# KiCad board lh60.kicad_pcb
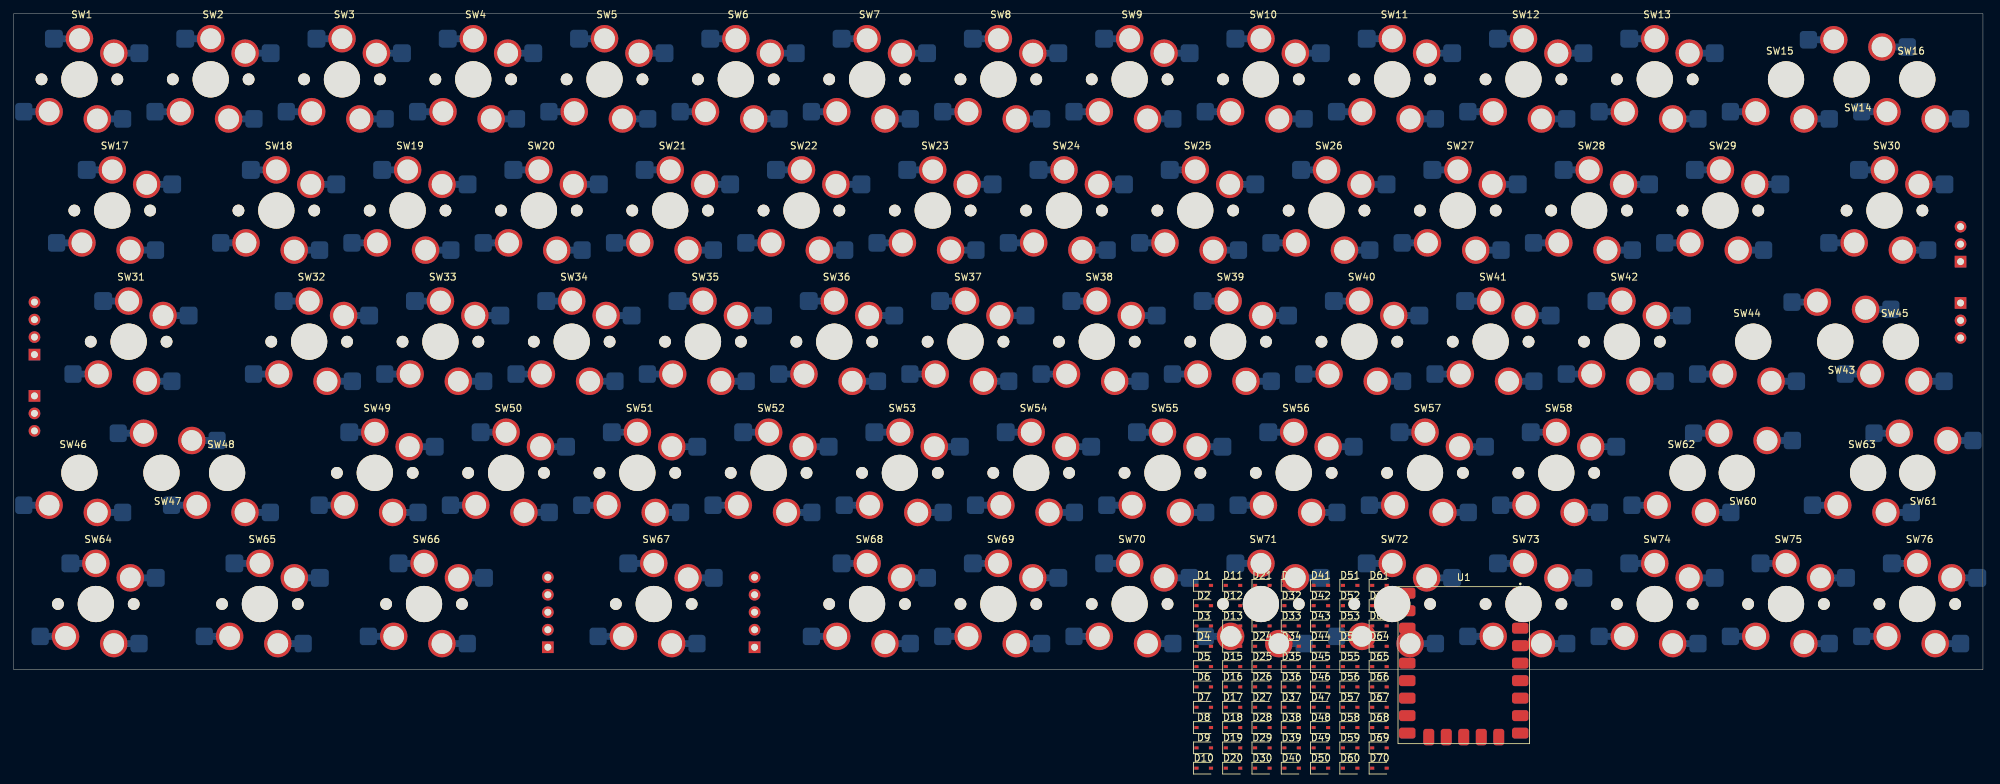
[diagram p0: board, top side]
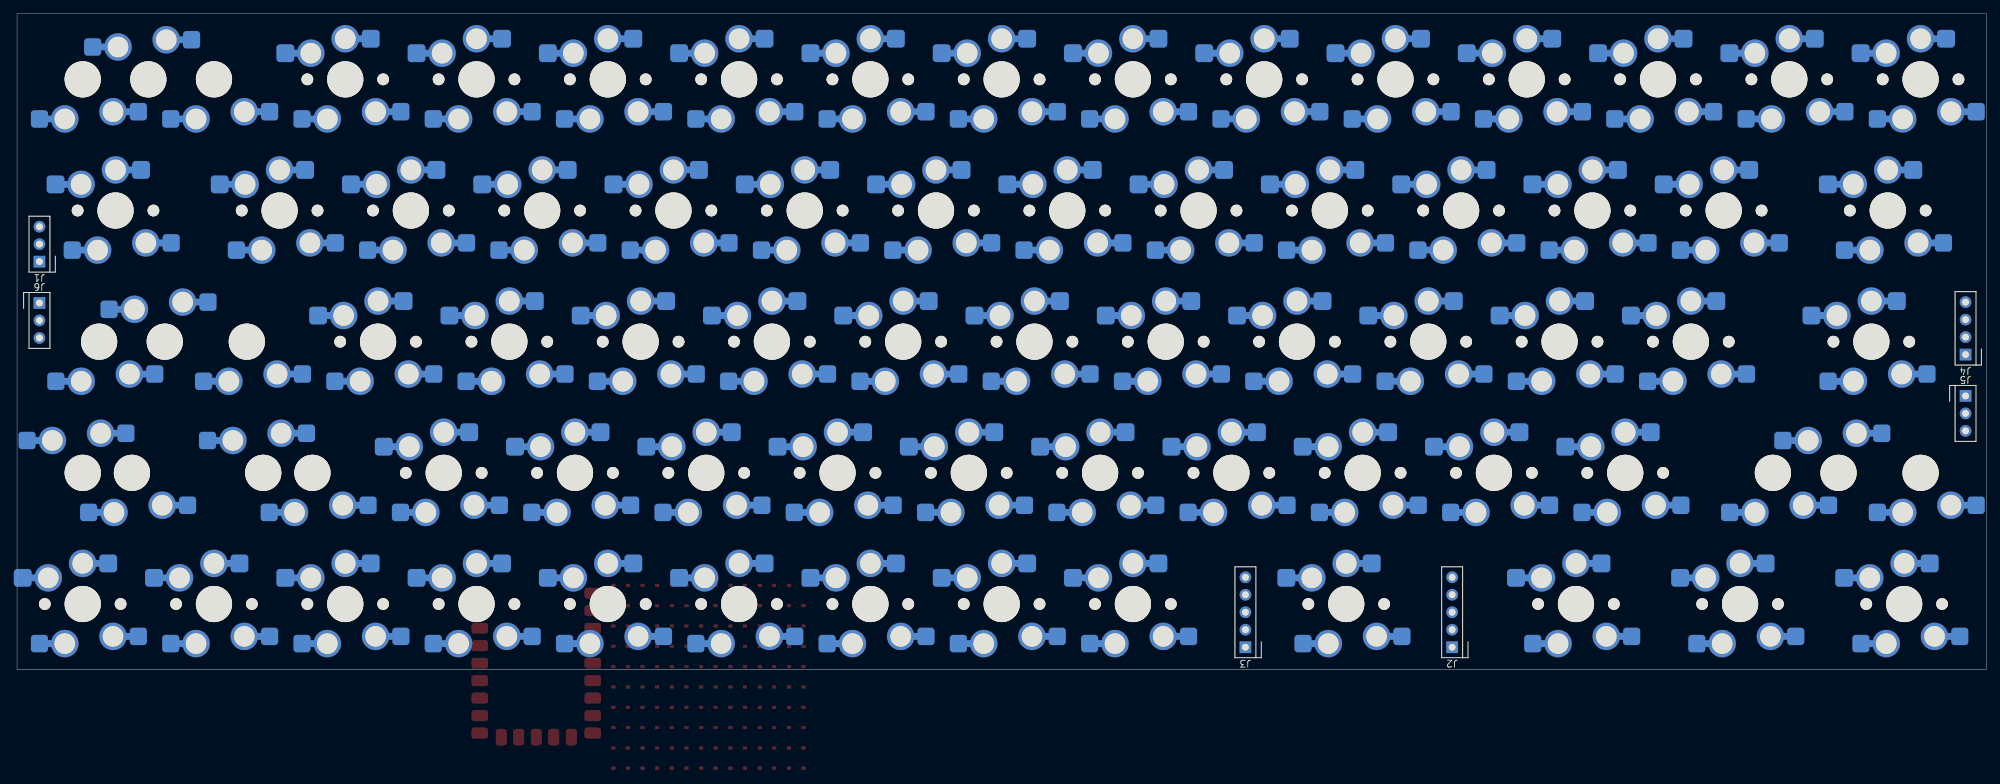
[diagram p1: board, bottom side, seen from below]

Outline 285.75 x 95.25 mm; copper layers: Top, Bottom. Coordinates in mm from the lower left corner of the outline.
Outline path: 0,95.25 285.75,95.25 285.75,0 0,0 0,95.25

## Placement (name value [footprint] x y rotation side)
D1  1N4148WS  [D_SOD-323_Bottom]  172.68 12.23 0 top
D2  1N4148WS  [D_SOD-323_Bottom]  172.68 9.28 0 top
D3  1N4148WS  [D_SOD-323_Bottom]  172.68 6.33 0 top
D4  1N4148WS  [D_SOD-323_Bottom]  172.68 3.39 0 top
D5  1N4148WS  [D_SOD-323_Bottom]  172.68 0.44 0 top
D6  1N4148WS  [D_SOD-323_Bottom]  172.68 -2.52 0 top
D7  1N4148WS  [D_SOD-323_Bottom]  172.68 -5.47 0 top
D8  1N4148WS  [D_SOD-323_Bottom]  172.68 -8.42 0 top
D9  1N4148WS  [D_SOD-323_Bottom]  172.68 -11.36 0 top
D10  1N4148WS  [D_SOD-323_Bottom]  172.68 -14.31 0 top
D11  1N4148WS  [D_SOD-323_Bottom]  176.93 12.23 0 top
D12  1N4148WS  [D_SOD-323_Bottom]  176.93 9.28 0 top
D13  1N4148WS  [D_SOD-323_Bottom]  176.93 6.33 0 top
D14  1N4148WS  [D_SOD-323_Bottom]  176.93 3.39 0 top
D15  1N4148WS  [D_SOD-323_Bottom]  176.93 0.44 0 top
D16  1N4148WS  [D_SOD-323_Bottom]  176.93 -2.52 0 top
D17  1N4148WS  [D_SOD-323_Bottom]  176.93 -5.47 0 top
D18  1N4148WS  [D_SOD-323_Bottom]  176.93 -8.42 0 top
D19  1N4148WS  [D_SOD-323_Bottom]  176.93 -11.36 0 top
D20  1N4148WS  [D_SOD-323_Bottom]  176.93 -14.31 0 top
D21  1N4148WS  [D_SOD-323_Bottom]  181.18 12.23 0 top
D22  1N4148WS  [D_SOD-323_Bottom]  181.18 9.28 0 top
D23  1N4148WS  [D_SOD-323_Bottom]  181.18 6.33 0 top
D24  1N4148WS  [D_SOD-323_Bottom]  181.18 3.39 0 top
D25  1N4148WS  [D_SOD-323_Bottom]  181.18 0.44 0 top
D26  1N4148WS  [D_SOD-323_Bottom]  181.18 -2.52 0 top
D27  1N4148WS  [D_SOD-323_Bottom]  181.18 -5.47 0 top
D28  1N4148WS  [D_SOD-323_Bottom]  181.18 -8.42 0 top
D29  1N4148WS  [D_SOD-323_Bottom]  181.18 -11.36 0 top
D30  1N4148WS  [D_SOD-323_Bottom]  181.18 -14.31 0 top
D31  1N4148WS  [D_SOD-323_Bottom]  185.43 12.23 0 top
D32  1N4148WS  [D_SOD-323_Bottom]  185.43 9.28 0 top
D33  1N4148WS  [D_SOD-323_Bottom]  185.43 6.33 0 top
D34  1N4148WS  [D_SOD-323_Bottom]  185.43 3.39 0 top
D35  1N4148WS  [D_SOD-323_Bottom]  185.43 0.44 0 top
D36  1N4148WS  [D_SOD-323_Bottom]  185.43 -2.52 0 top
D37  1N4148WS  [D_SOD-323_Bottom]  185.43 -5.47 0 top
D38  1N4148WS  [D_SOD-323_Bottom]  185.43 -8.42 0 top
D39  1N4148WS  [D_SOD-323_Bottom]  185.43 -11.36 0 top
D40  1N4148WS  [D_SOD-323_Bottom]  185.43 -14.31 0 top
D41  1N4148WS  [D_SOD-323_Bottom]  189.68 12.23 0 top
D42  1N4148WS  [D_SOD-323_Bottom]  189.68 9.28 0 top
D43  1N4148WS  [D_SOD-323_Bottom]  189.68 6.33 0 top
D44  1N4148WS  [D_SOD-323_Bottom]  189.68 3.39 0 top
D45  1N4148WS  [D_SOD-323_Bottom]  189.68 0.44 0 top
D46  1N4148WS  [D_SOD-323_Bottom]  189.68 -2.52 0 top
D47  1N4148WS  [D_SOD-323_Bottom]  189.68 -5.47 0 top
D48  1N4148WS  [D_SOD-323_Bottom]  189.68 -8.42 0 top
D49  1N4148WS  [D_SOD-323_Bottom]  189.68 -11.36 0 top
D50  1N4148WS  [D_SOD-323_Bottom]  189.68 -14.31 0 top
D51  1N4148WS  [D_SOD-323_Bottom]  193.93 12.23 0 top
D52  1N4148WS  [D_SOD-323_Bottom]  193.93 9.28 0 top
D53  1N4148WS  [D_SOD-323_Bottom]  193.93 6.33 0 top
D54  1N4148WS  [D_SOD-323_Bottom]  193.93 3.39 0 top
D55  1N4148WS  [D_SOD-323_Bottom]  193.93 0.44 0 top
D56  1N4148WS  [D_SOD-323_Bottom]  193.93 -2.52 0 top
D57  1N4148WS  [D_SOD-323_Bottom]  193.93 -5.47 0 top
D58  1N4148WS  [D_SOD-323_Bottom]  193.93 -8.42 0 top
D59  1N4148WS  [D_SOD-323_Bottom]  193.93 -11.36 0 top
D60  1N4148WS  [D_SOD-323_Bottom]  193.93 -14.31 0 top
D61  1N4148WS  [D_SOD-323_Bottom]  198.18 12.23 0 top
D62  1N4148WS  [D_SOD-323_Bottom]  198.18 9.28 0 top
D63  1N4148WS  [D_SOD-323_Bottom]  198.18 6.33 0 top
D64  1N4148WS  [D_SOD-323_Bottom]  198.18 3.39 0 top
D65  1N4148WS  [D_SOD-323_Bottom]  198.18 0.44 0 top
D66  1N4148WS  [D_SOD-323_Bottom]  198.18 -2.52 0 top
D67  1N4148WS  [D_SOD-323_Bottom]  198.18 -5.47 0 top
D68  1N4148WS  [D_SOD-323_Bottom]  198.18 -8.42 0 top
D69  1N4148WS  [D_SOD-323_Bottom]  198.18 -11.36 0 top
D70  1N4148WS  [D_SOD-323_Bottom]  198.18 -14.31 0 top
J1  PWR  [PinHeader_1x03_P2.54mm_Vertical]  282.5 59.25 0 bottom
J2  COL_A  [PinHeader_1x05_P2.54mm_Vertical]  77.5 3.25 0 bottom
J3  COL_B  [PinHeader_1x05_P2.54mm_Vertical]  107.5 3.25 0 bottom
J4  ROW_A  [PinHeader_1x04_P2.54mm_Vertical]  3 45.75 0 bottom
J5  ROW_B  [PinHeader_1x03_P2.54mm_Vertical]  3 39.75 180 bottom
J6  AUX  [PinHeader_1x03_P2.54mm_Vertical]  282.5 53.25 180 bottom
SW1  r0_esc_1u  [Gateron-LP-or-ChocV1-Hotswap-Socket-1U]  9.53 85.72 0 top
SW2  r0_1_1u  [Gateron-LP-or-ChocV1-Hotswap-Socket-1U]  28.57 85.72 0 top
SW3  r0_2_1u  [Gateron-LP-or-ChocV1-Hotswap-Socket-1U]  47.62 85.72 0 top
SW4  r0_3_1u  [Gateron-LP-or-ChocV1-Hotswap-Socket-1U#2]  66.67 85.72 0 top
SW5  r0_4_1u  [Gateron-LP-or-ChocV1-Hotswap-Socket-1U]  85.72 85.72 0 top
SW6  r0_5_1u  [Gateron-LP-or-ChocV1-Hotswap-Socket-1U]  104.78 85.72 0 top
SW7  r0_6_1u  [Gateron-LP-or-ChocV1-Hotswap-Socket-1U]  123.83 85.72 0 top
SW8  r0_7_1u  [Gateron-LP-or-ChocV1-Hotswap-Socket-1U]  142.88 85.72 0 top
SW9  r0_8_1u  [Gateron-LP-or-ChocV1-Hotswap-Socket-1U]  161.93 85.72 0 top
SW10  r0_9_1u  [Gateron-LP-or-ChocV1-Hotswap-Socket-1U]  180.97 85.72 0 top
SW11  r0_0_1u  [Gateron-LP-or-ChocV1-Hotswap-Socket-1U]  200.03 85.72 0 top
SW12  r0_minus_1u  [Gateron-LP-or-ChocV1-Hotswap-Socket-1U]  219.07 85.72 0 top
SW13  r0_equal_1u  [Gateron-LP-or-ChocV1-Hotswap-Socket-1U]  238.12 85.72 0 top
SW14  r0_top_2u  [Gateron-LP-Hotswap-Socket-2U]  266.7 85.72 180 top
SW15  r0_top_split_left_fn_1u  [Gateron-LP-Hotswap-Socket-1U]  257.18 85.72 0 top
SW16  r0_top_split_right_1u  [Gateron-LP-Hotswap-Socket-1U]  276.23 85.72 0 top
SW17  r1_tab_1.5u  [Gateron-LP-or-ChocV1-Hotswap-Socket-1.5U]  14.29 66.67 0 top
SW18  r1_q_1u  [Gateron-LP-or-ChocV1-Hotswap-Socket-1U]  38.1 66.67 0 top
SW19  r1_w_1u  [Gateron-LP-or-ChocV1-Hotswap-Socket-1U]  57.15 66.67 0 top
SW20  r1_e_1u  [Gateron-LP-or-ChocV1-Hotswap-Socket-1U]  76.2 66.67 0 top
SW21  r1_r_1u  [Gateron-LP-or-ChocV1-Hotswap-Socket-1U]  95.25 66.67 0 top
SW22  r1_t_1u  [Gateron-LP-or-ChocV1-Hotswap-Socket-1U]  114.3 66.67 0 top
SW23  r1_y_1u  [Gateron-LP-or-ChocV1-Hotswap-Socket-1U]  133.35 66.67 0 top
SW24  r1_u_1u  [Gateron-LP-or-ChocV1-Hotswap-Socket-1U]  152.4 66.67 0 top
SW25  r1_i_1u  [Gateron-LP-or-ChocV1-Hotswap-Socket-1U]  171.45 66.67 0 top
SW26  r1_o_1u  [Gateron-LP-or-ChocV1-Hotswap-Socket-1U]  190.5 66.67 0 top
SW27  r1_p_1u  [Gateron-LP-or-ChocV1-Hotswap-Socket-1U]  209.55 66.67 0 top
SW28  r1_left_bracket_1u  [Gateron-LP-or-ChocV1-Hotswap-Socket-1U]  228.6 66.67 0 top
SW29  r1_right_bracket_1u  [Gateron-LP-or-ChocV1-Hotswap-Socket-1U]  247.65 66.67 0 top
SW30  r1_backslash_1.5u  [Gateron-LP-or-ChocV1-Hotswap-Socket-1.5U#2]  271.46 66.67 0 top
SW31  r2_caps_1.75u  [Gateron-LP-or-ChocV1-Hotswap-Socket-1.75U]  16.67 47.62 0 top
SW32  r2_a_1u  [Gateron-LP-or-ChocV1-Hotswap-Socket-1U#2]  42.86 47.62 0 top
SW33  r2_s_1u  [Gateron-LP-or-ChocV1-Hotswap-Socket-1U]  61.91 47.62 0 top
SW34  r2_d_1u  [Gateron-LP-or-ChocV1-Hotswap-Socket-1U]  80.96 47.62 0 top
SW35  r2_f_1u  [Gateron-LP-or-ChocV1-Hotswap-Socket-1U]  100.01 47.62 0 top
SW36  r2_g_1u  [Gateron-LP-or-ChocV1-Hotswap-Socket-1U]  119.06 47.62 0 top
SW37  r2_h_1u  [Gateron-LP-or-ChocV1-Hotswap-Socket-1U]  138.11 47.62 0 top
SW38  r2_j_1u  [Gateron-LP-or-ChocV1-Hotswap-Socket-1U]  157.16 47.62 0 top
SW39  r2_k_1u  [Gateron-LP-or-ChocV1-Hotswap-Socket-1U]  176.21 47.62 0 top
SW40  r2_l_1u  [Gateron-LP-or-ChocV1-Hotswap-Socket-1U]  195.26 47.62 0 top
SW41  r2_semicolon_1u  [Gateron-LP-or-ChocV1-Hotswap-Socket-1U]  214.31 47.62 0 top
SW42  r2_quote_1u  [Gateron-LP-or-ChocV1-Hotswap-Socket-1U]  233.36 47.62 0 top
SW43  r2_enter_ansi_2.25u  [Gateron-LP-Hotswap-Socket-2.25U]  264.32 47.62 180 top
SW44  r2_enter_split_left_fn_1u  [Gateron-LP-Hotswap-Socket-1U]  252.41 47.62 0 top
SW45  r2_enter_split_right_1.25u  [Gateron-LP-Hotswap-Socket-1.25U]  273.84 47.62 0 top
SW46  r3_lshift_split_left_fn_1u  [Gateron-LP-Hotswap-Socket-1U]  9.53 28.58 0 top
SW47  r3_lshift_2.25u  [Gateron-LP-Hotswap-Socket-2.25U]  21.43 28.58 180 top
SW48  r3_lshift_split_1.25u  [Gateron-LP-Hotswap-Socket-1.25U#2]  30.96 28.58 0 top
SW49  r3_z_1u  [Gateron-LP-or-ChocV1-Hotswap-Socket-1U]  52.39 28.58 0 top
SW50  r3_x_1u  [Gateron-LP-or-ChocV1-Hotswap-Socket-1U]  71.44 28.58 0 top
SW51  r3_c_1u  [Gateron-LP-or-ChocV1-Hotswap-Socket-1U]  90.49 28.58 0 top
SW52  r3_v_1u  [Gateron-LP-or-ChocV1-Hotswap-Socket-1U]  109.54 28.58 0 top
SW53  r3_b_1u  [Gateron-LP-or-ChocV1-Hotswap-Socket-1U]  128.59 28.58 0 top
SW54  r3_n_1u  [Gateron-LP-or-ChocV1-Hotswap-Socket-1U]  147.64 28.58 0 top
SW55  r3_m_1u  [Gateron-LP-or-ChocV1-Hotswap-Socket-1U]  166.69 28.58 0 top
SW56  r3_comma_1u  [Gateron-LP-or-ChocV1-Hotswap-Socket-1U]  185.74 28.58 0 top
SW57  r3_period_1u  [Gateron-LP-or-ChocV1-Hotswap-Socket-1U]  204.79 28.58 0 top
SW58  r3_slash_1u  [Gateron-LP-or-ChocV1-Hotswap-Socket-1U]  223.84 28.58 0 top
SW60  r3_rshift_left_1.75u  [Gateron-LP-Hotswap-Socket-1.75U]  250.03 28.58 180 top
SW61  r3_rshift_right_fn_1u  [Gateron-LP-Hotswap-Socket-1U]  276.23 28.58 180 top
SW62  r3_rshift_left_fn_1u  [Gateron-LP-Hotswap-Socket-1U]  242.89 28.58 0 top
SW63  r3_rshift_right_1.75u  [Gateron-LP-Hotswap-Socket-1.75U]  269.08 28.58 0 top
SW64  r4_left_ctrl_1.25u  [Gateron-LP-or-ChocV1-Hotswap-Socket-1.25U]  11.91 9.53 0 top
SW65  r4_left_win_1.25u  [Gateron-LP-or-ChocV1-Hotswap-Socket-1.25U]  35.72 9.53 0 top
SW66  r4_left_alt_1.25u  [Gateron-LP-or-ChocV1-Hotswap-Socket-1.25U]  59.53 9.53 0 top
SW67  r4_space_2.25u  [Gateron-LP-or-ChocV1-Hotswap-Socket-2.25U]  92.87 9.53 0 top
SW68  r4_fn_1u  [Gateron-LP-or-ChocV1-Hotswap-Socket-1U]  123.83 9.53 0 top
SW69  r4_left_1u  [Gateron-LP-or-ChocV1-Hotswap-Socket-1U]  142.88 9.53 0 top
SW70  r4_down_1u  [Gateron-LP-or-ChocV1-Hotswap-Socket-1U]  161.93 9.53 0 top
SW71  r4_up_1u  [Gateron-LP-or-ChocV1-Hotswap-Socket-1U]  180.97 9.53 0 top
SW72  r4_right_1u  [Gateron-LP-or-ChocV1-Hotswap-Socket-1U]  200.03 9.53 0 top
SW73  r4_right_fn_1u  [Gateron-LP-or-ChocV1-Hotswap-Socket-1U]  219.07 9.53 0 top
SW74  r4_right_alt_1u  [Gateron-LP-or-ChocV1-Hotswap-Socket-1U]  238.12 9.53 0 top
SW75  r4_right_win_1u  [Gateron-LP-or-ChocV1-Hotswap-Socket-1U]  257.18 9.53 0 top
SW76  r4_right_ctrl_1u  [Gateron-LP-or-ChocV1-Hotswap-Socket-1U]  276.23 9.53 0 top
U1  RP2040-Tiny  [MCU_RP2040-Tiny_SMD]  210.41 11.09 0 top

## Footprints (pads in the part's own frame, mm; a bottom-side part is the same pattern mirrored in y, then rotated)
D_SOD-323_Bottom
  rect 0.6x0.45 smd: 1(-1.05,0) 2(1.05,0)
Gateron-LP-Hotswap-Socket-1.25U
  round 5.25 hole 5.25 unplated: (0,0)
  rrect 2.5x2.55 smd far side: 1(-8.075,-4.7) 2(6.275,-5.75)
  rect 3.9x1 smd far side: 1(-6.35,-4.7)
  round 4 hole 3: 1(-4.4,-4.7) 2(2.6,-5.75)
  rect 3.75x1 smd far side: 2(4.475,-5.75)
Gateron-LP-Hotswap-Socket-1.25U#2
  round 5.25 hole 5.25 unplated: (0,0)
  rrect 2.5x2.55 smd far side: 1(-8.075,-4.7) 2(6.275,-5.75)
  rect 3.9x1 smd far side: 1(-6.35,-4.7)
  round 4 hole 3: 1(-4.4,-4.7) 2(2.6,-5.75)
  rect 3.75x1 smd far side: 2(4.475,-5.75)
Gateron-LP-Hotswap-Socket-1.75U
  round 5.25 hole 5.25 unplated: (0,0)
  rrect 2.5x2.55 smd far side: 1(-8.075,-4.7) 2(6.275,-5.75)
  rect 3.9x1 smd far side: 1(-6.35,-4.7)
  round 4 hole 3: 1(-4.4,-4.7) 2(2.6,-5.75)
  rect 3.75x1 smd far side: 2(4.475,-5.75)
Gateron-LP-Hotswap-Socket-1U
  round 5.25 hole 5.25 unplated: (0,0)
  rrect 2.5x2.55 smd far side: 1(-8.075,-4.7) 2(6.275,-5.75)
  rect 3.9x1 smd far side: 1(-6.35,-4.7)
  round 4 hole 3: 1(-4.4,-4.7) 2(2.6,-5.75)
  rect 3.75x1 smd far side: 2(4.475,-5.75)
Gateron-LP-Hotswap-Socket-2.25U
  round 5.25 hole 5.25 unplated: (0,0)
  rrect 2.5x2.55 smd far side: 1(-8.075,-4.7) 2(6.275,-5.75)
  rect 3.9x1 smd far side: 1(-6.35,-4.7)
  round 4 hole 3: 1(-4.4,-4.7) 2(2.6,-5.75)
  rect 3.75x1 smd far side: 2(4.475,-5.75)
Gateron-LP-Hotswap-Socket-2U
  round 5.25 hole 5.25 unplated: (0,0)
  rrect 2.5x2.55 smd far side: 1(-8.075,-4.7) 2(6.275,-5.75)
  rect 3.9x1 smd far side: 1(-6.35,-4.7)
  round 4 hole 3: 1(-4.4,-4.7) 2(2.6,-5.75)
  rect 3.75x1 smd far side: 2(4.475,-5.75)
Gateron-LP-or-ChocV1-Hotswap-Socket-1.5U
  round 1.702 hole 1.702 unplated: (-5.5,0) (5.5,0)
  round 5.25 hole 5.25 unplated: (0,0)
  rrect 2.5x2.55 smd far side: 1(-8.075,-4.7) 2(6.275,-5.75)
  rect 3.9x1 smd far side: 1(-6.35,-4.7) 1(-2,5.9) 2(7,3.8)
  round 4 hole 3: 1(-4.4,-4.7) 1(0,5.9) 2(2.6,-5.75) 2(5,3.8)
  rrect 2.6x2.6 smd far side: 1(-3.7,5.9) 2(8.7,3.8)
  rect 3.75x1 smd far side: 2(4.475,-5.75)
Gateron-LP-or-ChocV1-Hotswap-Socket-1.5U#2
  round 1.702 hole 1.702 unplated: (-5.5,0) (5.5,0)
  round 5.25 hole 5.25 unplated: (0,0)
  rrect 2.5x2.55 smd far side: 1(-8.075,-4.7) 2(6.275,-5.75)
  rect 3.9x1 smd far side: 1(-6.35,-4.7) 1(-2,5.9) 2(7,3.8)
  round 4 hole 3: 1(-4.4,-4.7) 1(0,5.9) 2(2.6,-5.75) 2(5,3.8)
  rrect 2.6x2.6 smd far side: 1(-3.7,5.9) 2(8.7,3.8)
  rect 3.75x1 smd far side: 2(4.475,-5.75)
Gateron-LP-or-ChocV1-Hotswap-Socket-1.25U
  round 1.702 hole 1.702 unplated: (-5.5,0) (5.5,0)
  round 5.25 hole 5.25 unplated: (0,0)
  rrect 2.5x2.55 smd far side: 1(-8.075,-4.7) 2(6.275,-5.75)
  rect 3.9x1 smd far side: 1(-6.35,-4.7) 1(-2,5.9) 2(7,3.8)
  round 4 hole 3: 1(-4.4,-4.7) 1(0,5.9) 2(2.6,-5.75) 2(5,3.8)
  rrect 2.6x2.6 smd far side: 1(-3.7,5.9) 2(8.7,3.8)
  rect 3.75x1 smd far side: 2(4.475,-5.75)
Gateron-LP-or-ChocV1-Hotswap-Socket-1.75U
  round 1.702 hole 1.702 unplated: (-5.5,0) (5.5,0)
  round 5.25 hole 5.25 unplated: (0,0)
  rrect 2.5x2.55 smd far side: 1(-8.075,-4.7) 2(6.275,-5.75)
  rect 3.9x1 smd far side: 1(-6.35,-4.7) 1(-2,5.9) 2(7,3.8)
  round 4 hole 3: 1(-4.4,-4.7) 1(0,5.9) 2(2.6,-5.75) 2(5,3.8)
  rrect 2.6x2.6 smd far side: 1(-3.7,5.9) 2(8.7,3.8)
  rect 3.75x1 smd far side: 2(4.475,-5.75)
Gateron-LP-or-ChocV1-Hotswap-Socket-1U
  round 1.702 hole 1.702 unplated: (-5.5,0) (5.5,0)
  round 5.25 hole 5.25 unplated: (0,0)
  rrect 2.5x2.55 smd far side: 1(-8.075,-4.7) 2(6.275,-5.75)
  rect 3.9x1 smd far side: 1(-6.35,-4.7) 1(-2,5.9) 2(7,3.8)
  round 4 hole 3: 1(-4.4,-4.7) 1(0,5.9) 2(2.6,-5.75) 2(5,3.8)
  rrect 2.6x2.6 smd far side: 1(-3.7,5.9) 2(8.7,3.8)
  rect 3.75x1 smd far side: 2(4.475,-5.75)
Gateron-LP-or-ChocV1-Hotswap-Socket-1U#2
  round 1.702 hole 1.702 unplated: (-5.5,0) (5.5,0)
  round 5.25 hole 5.25 unplated: (0,0)
  rrect 2.5x2.55 smd far side: 1(-8.075,-4.7) 2(6.275,-5.75)
  rect 3.9x1 smd far side: 1(-6.35,-4.7) 1(-2,5.9) 2(7,3.8)
  round 4 hole 3: 1(-4.4,-4.7) 1(0,5.9) 2(2.6,-5.75) 2(5,3.8)
  rrect 2.6x2.6 smd far side: 1(-3.7,5.9) 2(8.7,3.8)
  rect 3.75x1 smd far side: 2(4.475,-5.75)
Gateron-LP-or-ChocV1-Hotswap-Socket-2.25U
  round 1.702 hole 1.702 unplated: (-5.5,0) (5.5,0)
  round 5.25 hole 5.25 unplated: (0,0)
  rrect 2.5x2.55 smd far side: 1(-8.075,-4.7) 2(6.275,-5.75)
  rect 3.9x1 smd far side: 1(-6.35,-4.7) 1(-2,5.9) 2(7,3.8)
  round 4 hole 3: 1(-4.4,-4.7) 1(0,5.9) 2(2.6,-5.75) 2(5,3.8)
  rrect 2.6x2.6 smd far side: 1(-3.7,5.9) 2(8.7,3.8)
  rect 3.75x1 smd far side: 2(4.475,-5.75)
MCU_RP2040-Tiny_SMD
  rrect 2.4x1.6 smd: 1(8.2,0) 2(8.2,-2.54) 3(8.2,-5.08) 4(8.2,-7.62) 5(8.2,-10.16) 6(8.2,-12.7) 7(8.2,-15.24) 8(8.2,-17.78) 9(8.2,-20.32) 15(-8.2,-20.32) 16(-8.2,-17.78) 17(-8.2,-15.24) 18(-8.2,-12.7) 19(-8.2,-10.16) 20(-8.2,-7.62) 21(-8.2,-5.08) 22(-8.2,-2.54) 23(-8.2,0)
  rrect 1.6x2.4 smd: 10(5.08,-20.9) 11(2.54,-20.9) 12(0,-20.9) 13(-2.54,-20.9) 14(-5.08,-20.9)
PinHeader_1x03_P2.54mm_Vertical
  rect 1.7x1.7 hole 1: 1(0,0)
  round 1.7 hole 1: 2(0,-2.54) 3(0,-5.08)
PinHeader_1x04_P2.54mm_Vertical
  rect 1.7x1.7 hole 1: 1(0,0)
  round 1.7 hole 1: 2(0,-2.54) 3(0,-5.08) 4(0,-7.62)
PinHeader_1x05_P2.54mm_Vertical
  rect 1.7x1.7 hole 1: 1(0,0)
  round 1.7 hole 1: 2(0,-2.54) 3(0,-5.08) 4(0,-7.62) 5(0,-10.16)

## Nets
/3V3: J1.2 U1.21
/GND: J1.3 U1.22
/COL0: D1.2 D11.2 D21.2 D31.2 D41.2 D51.2 D61.2 J2.1 U1.1
/COL1: D2.2 D12.2 D22.2 D32.2 D42.2 D52.2 D62.2 J2.2 U1.2
/COL2: D3.2 D13.2 D23.2 D33.2 D43.2 D53.2 D63.2 J2.3 U1.3
/COL3: D4.2 D14.2 D24.2 D34.2 D44.2 D54.2 D64.2 J2.4 U1.4
/COL4: D5.2 D15.2 D25.2 D35.2 D45.2 D55.2 D65.2 J2.5 U1.5
/COL5: D6.2 D16.2 D26.2 D36.2 D46.2 D56.2 D66.2 J3.1 U1.6
/COL6: D7.2 D17.2 D27.2 D37.2 D47.2 D57.2 D67.2 J3.2 U1.7
/COL7: D8.2 D18.2 D28.2 D38.2 D48.2 D58.2 D68.2 J3.3 U1.8
/COL8: D9.2 D19.2 D29.2 D39.2 D49.2 D59.2 D69.2 J3.4 U1.9
/COL9: D10.2 D20.2 D30.2 D40.2 D50.2 D60.2 D70.2 J3.5 U1.10
/GP27: J6.1 U1.18
/GP28: J6.2 U1.19
/GP29: J6.3 U1.20
/KEY_00: D1.1 SW1.1
/KEY_01: D2.1 SW2.1
/KEY_02: D3.1 SW3.1
/KEY_03: D4.1 SW4.1
/KEY_04: D5.1 SW5.1
/KEY_05: D6.1 SW6.1
/KEY_06: D7.1 SW7.1
/KEY_07: D8.1 SW8.1
/KEY_08: D9.1 SW9.1
/KEY_09: D10.1 SW10.1
/KEY_10: D11.1 SW11.1
/KEY_11: D12.1 SW12.1
/KEY_12: D13.1 SW13.1
/KEY_13: D14.1 SW14.1 SW16.1
/KEY_14: D15.1 SW15.1
/KEY_15: D16.1 SW17.1
/KEY_16: D17.1 SW18.1
/KEY_17: D18.1 SW19.1
/KEY_18: D19.1 SW20.1
/KEY_19: D20.1 SW21.1
/KEY_20: D21.1 SW22.1
/KEY_21: D22.1 SW23.1
/KEY_22: D23.1 SW24.1
/KEY_23: D24.1 SW25.1
/KEY_24: D25.1 SW26.1
/KEY_25: D26.1 SW27.1
/KEY_26: D27.1 SW28.1
/KEY_27: D28.1 SW29.1
/KEY_28: D29.1 SW30.1
/KEY_29: D30.1 SW31.1
/KEY_30: D31.1 SW32.1
/KEY_31: D32.1 SW33.1
/KEY_32: D33.1 SW34.1
/KEY_33: D34.1 SW35.1
/KEY_34: D35.1 SW36.1
/KEY_35: D36.1 SW37.1
/KEY_36: D37.1 SW38.1
/KEY_37: D38.1 SW39.1
/KEY_38: D39.1 SW40.1
/KEY_39: D40.1 SW41.1
/KEY_40: D41.1 SW42.1
/KEY_41: D42.1 SW43.1 SW45.1
/KEY_42: D43.1 SW44.1
/KEY_43: D44.1 SW46.1
/KEY_44: D45.1 SW47.1 SW48.1
/KEY_45: D46.1 SW49.1
/KEY_46: D47.1 SW50.1
/KEY_47: D48.1 SW51.1
/KEY_48: D49.1 SW52.1
/KEY_49: D50.1 SW53.1
/KEY_50: D51.1 SW54.1
/KEY_51: D52.1 SW55.1
/KEY_52: D53.1 SW56.1
/KEY_53: D54.1 SW57.1
/KEY_54: D55.1 SW58.1
/KEY_55: D56.1 SW60.1 SW63.1
/KEY_56: D57.1 SW61.1 SW62.1
/KEY_57: D58.1 SW64.1
/KEY_58: D59.1 SW65.1
/KEY_59: D60.1 SW66.1
/KEY_60: D61.1 SW67.1
/KEY_61: D62.1 SW68.1
/KEY_62: D63.1 SW69.1
/KEY_63: D64.1 SW70.1
/KEY_64: D65.1 SW71.1
/KEY_65: D66.1 SW72.1
/KEY_66: D67.1 SW73.1
/KEY_67: D68.1 SW74.1
/KEY_68: D69.1 SW75.1
/KEY_69: D70.1 SW76.1
/ROW0: J4.1 SW1.2 SW2.2 SW3.2 SW4.2 SW5.2 SW6.2 SW7.2 SW8.2 SW9.2 SW10.2 U1.11
/ROW1: J4.2 SW11.2 SW12.2 SW13.2 SW14.2 SW15.2 SW16.2 SW17.2 SW18.2 SW19.2 SW20.2 SW21.2 U1.12
/ROW2: J4.3 SW22.2 SW23.2 SW24.2 SW25.2 SW26.2 SW27.2 SW28.2 SW29.2 SW30.2 SW31.2 U1.13
/ROW3: J4.4 SW32.2 SW33.2 SW34.2 SW35.2 SW36.2 SW37.2 SW38.2 SW39.2 SW40.2 SW41.2 U1.14
/ROW4: J5.1 SW42.2 SW43.2 SW44.2 SW45.2 SW46.2 SW47.2 SW48.2 SW49.2 SW50.2 SW51.2 SW52.2 SW53.2 U1.15
/ROW5: J5.2 SW54.2 SW55.2 SW56.2 SW57.2 SW58.2 SW60.2 SW61.2 SW62.2 SW63.2 SW64.2 SW65.2 SW66.2 U1.16
/ROW6: J5.3 SW67.2 SW68.2 SW69.2 SW70.2 SW71.2 SW72.2 SW73.2 SW74.2 SW75.2 SW76.2 U1.17
/VSYS: J1.1 U1.23
